# Altium PCB PCB1.PcbDoc
Units mm, origin at the board's own origin, x right, y up, seen from the top; angles counter-clockwise.
Board outline 110 x 90 mm, 2 copper layers (Top Layer, Bottom Layer); 84 components, 80 nets, 311 pads, 0 vias.
Unrouted connection lines stored in the file: 9.
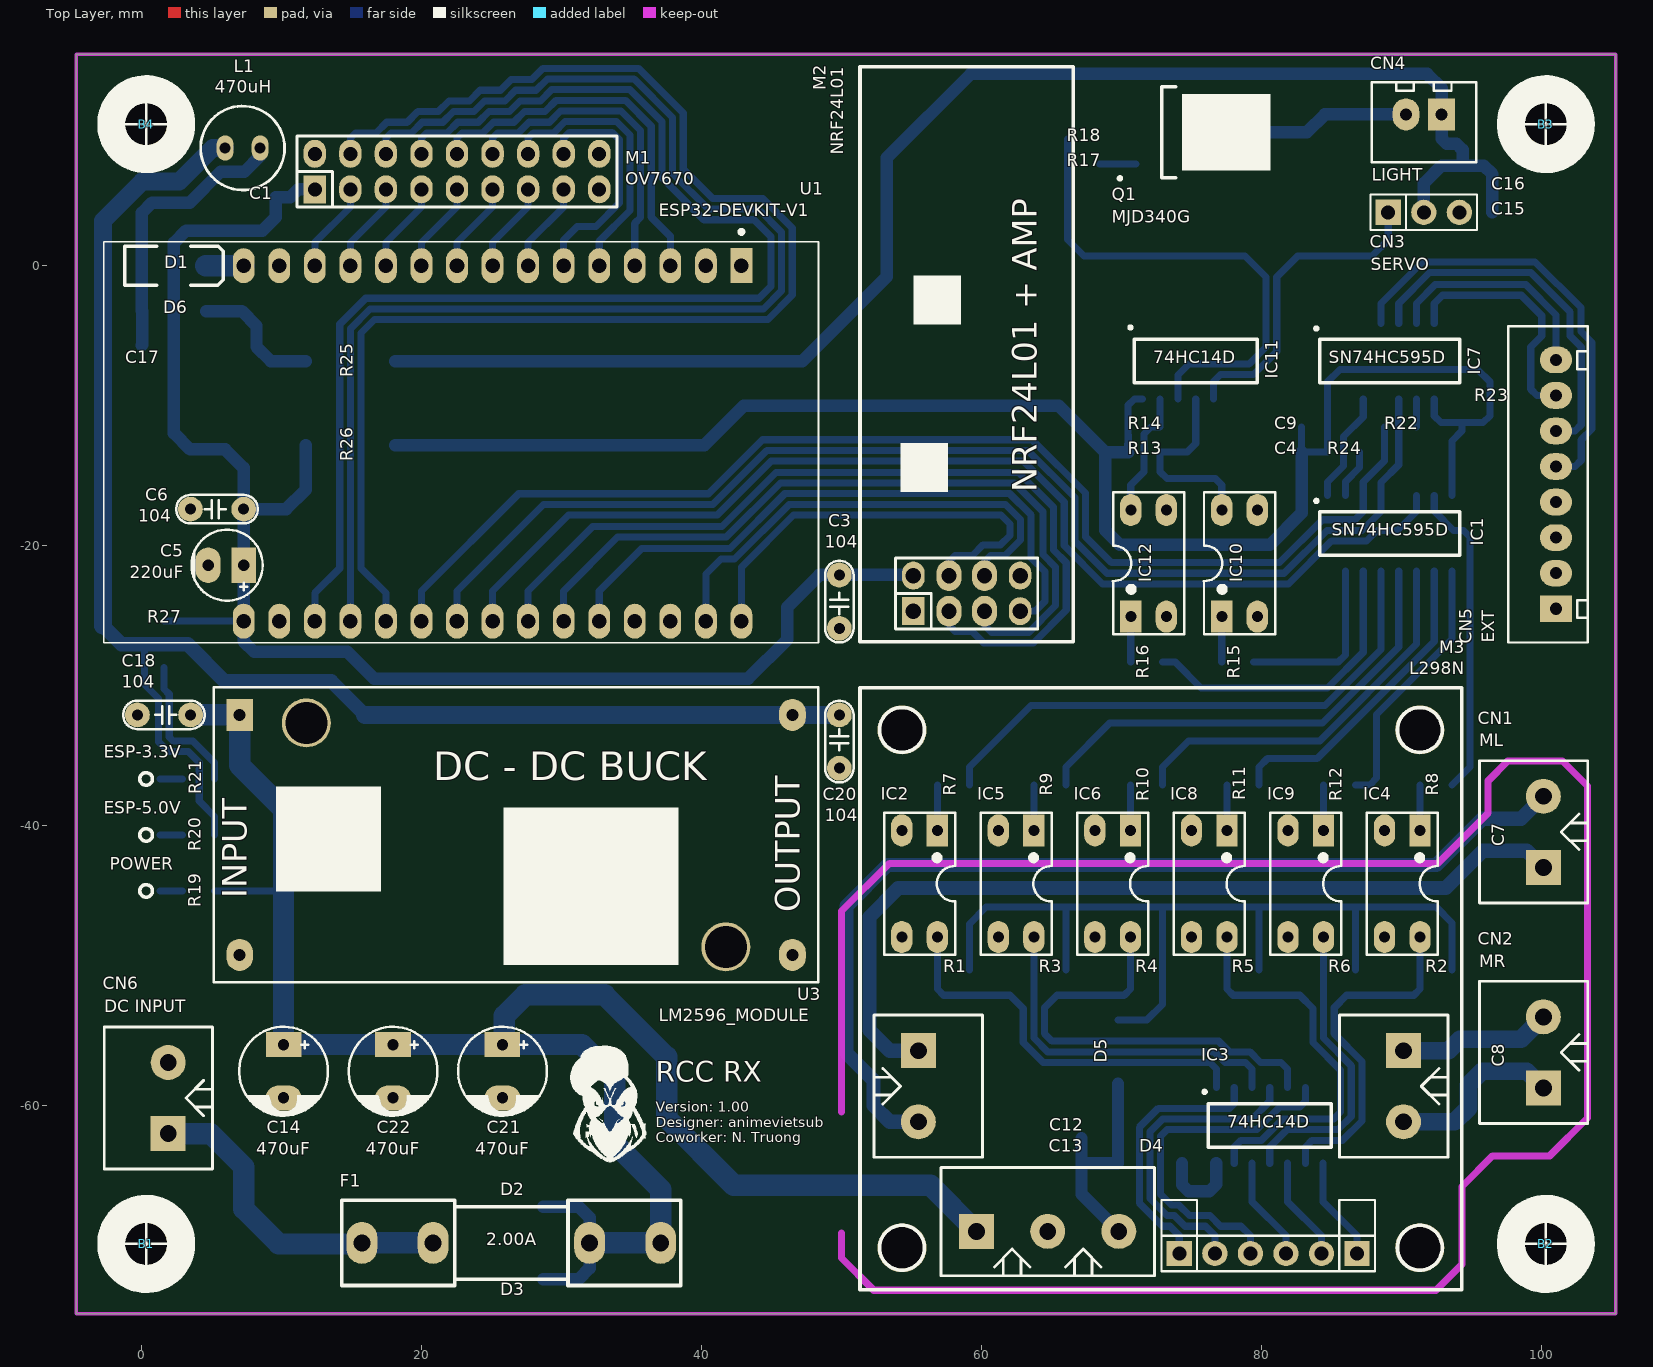
[diagram p0: Top Layer view]
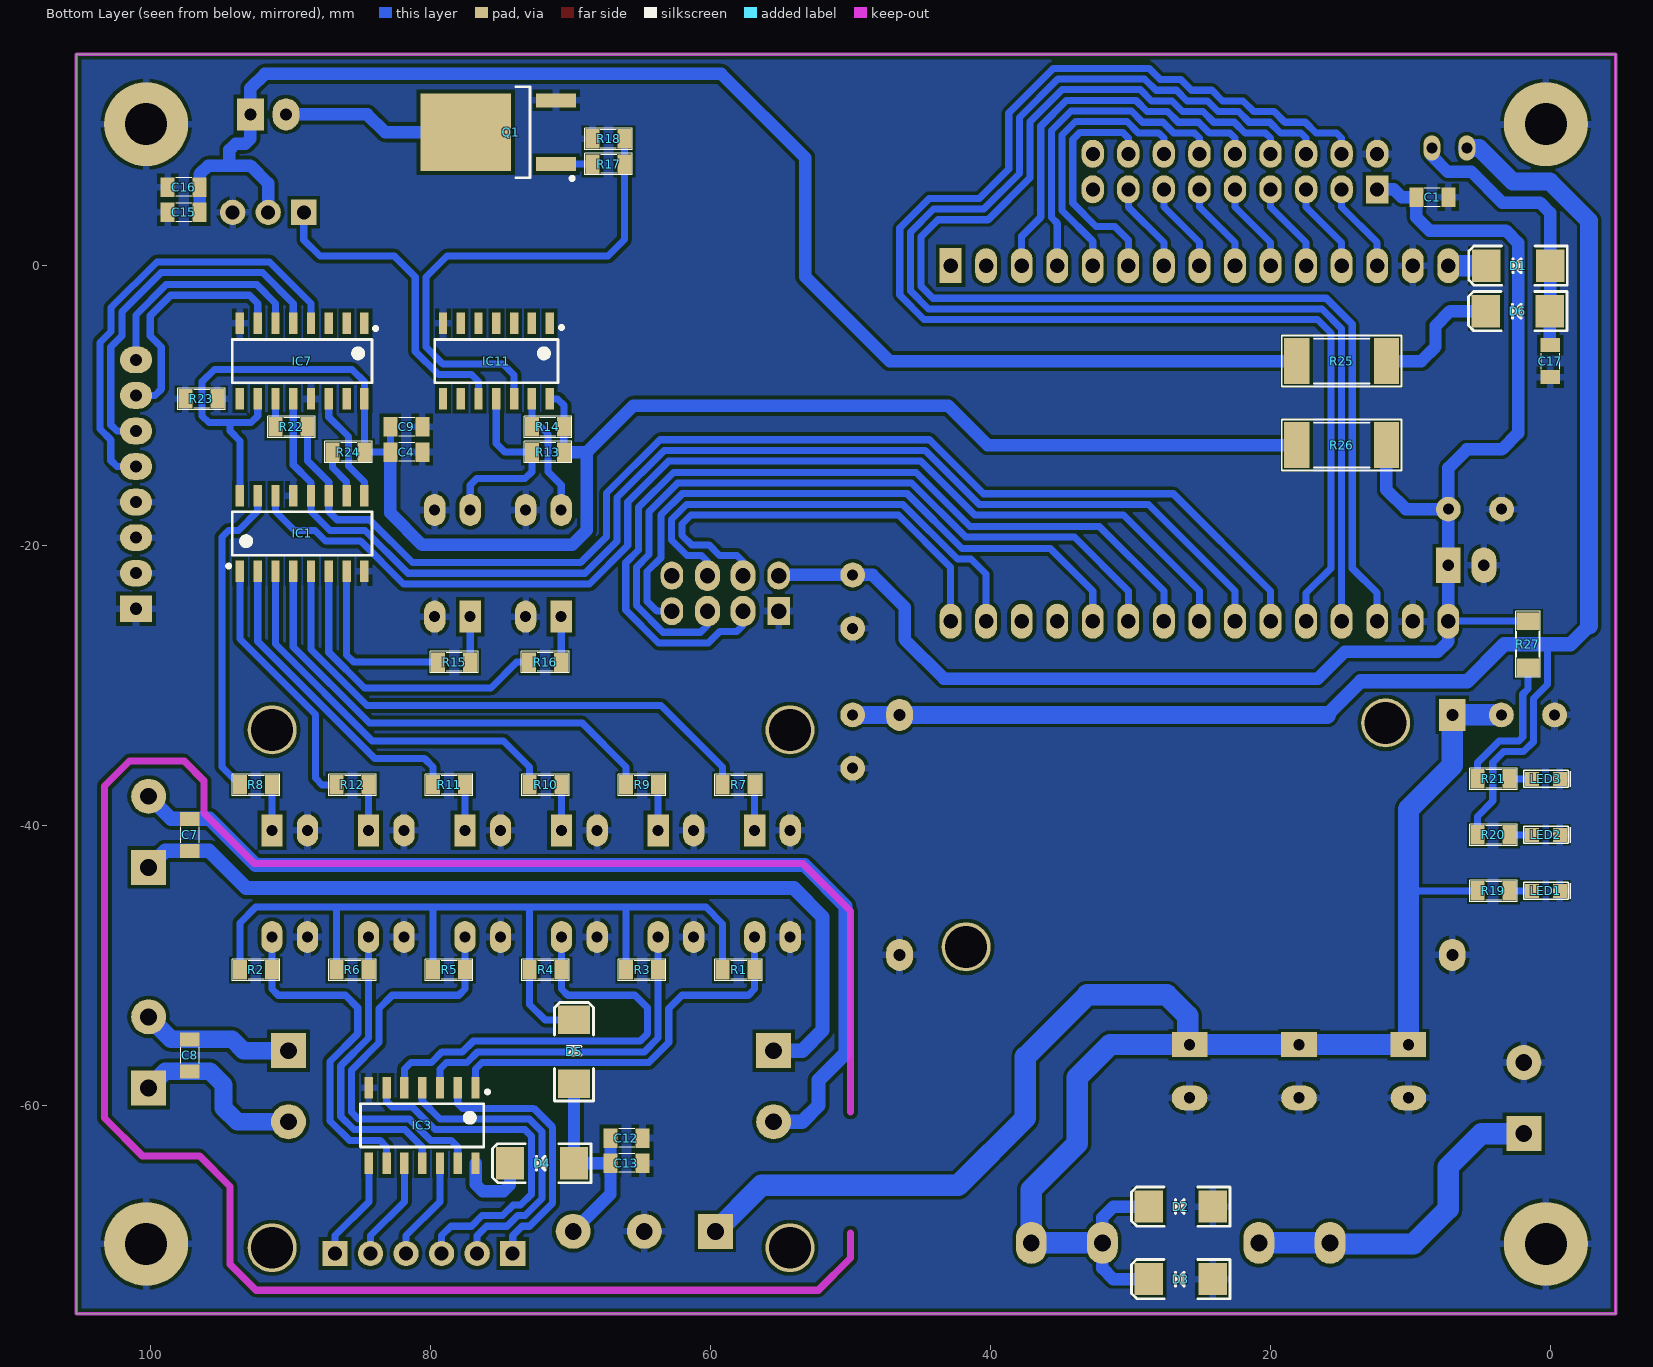
[diagram p1: Bottom Layer view, seen from below]

## Layer stack, top to bottom
Top Solder: solder mask 0.0102, Solder Resist, Dk 3.5
Top Layer: signal copper 0.0356
Dielectric 1: dielectric 0.32, FR-4, Dk 4.8
Bottom Layer: signal copper 0.0356
Bottom Solder: solder mask 0.0102, Solder Resist, Dk 3.5

## Board outline
-4.682,-74.892 105.318,-74.892 105.318,15.108 -4.682,15.108

## Design rules (kind name [scope] priority, off if disabled: settings)
Clearance [All] p1: gap=0.254 ignorepadtopadclearanceinfootprint=FALSE except(0: Arc-Hole Track-Hole SMDPad-Hole THPad-Hole Via-Hole Fill-Hole Poly-Hole Region-Hole Text-Hole)
PolygonConnect [All] p1: connectstyle=Relief reliefconductorwidth=0.508 reliefentries=4 polygonreliefangle="90 Angle" airgapwidth=0.254
RoutingVias [All] p1: holewidth=0.711 width=1.27 viastyle="Through Hole" minholewidth=0.711 minwidth=1.27 maxholewidth=0.711 maxwidth=1.27
SolderMaskExpansion [All] p1: expansion=0.102
Width [All] p1: maxlimit=1.524 minlimit=0.508 preferedwidth=0.889 minimp=50.000000 maximp=50.000000 favimp=50.000000
30 further rules are at their usual default settings.

## Components (designator, comment, footprint, x,y, rotation, side; value= is the part's Value field where it differs from the comment)
B1 "Plated Hole" MTG300_600 0.318,-69.892 r0 top
B2 "Plated Hole" MTG300_600 100.318,-69.892 r0 top
B3 "Plated Hole" MTG300_600 100.318,10.108 r0 top
B4 "Plated Hole" MTG300_600 0.318,10.108 r0 top
C1 "106" CAP-SMD-0805 8.429,4.885 r0 bottom
C3 "104" Cap-Non-150mil 49.839,-25.908 r90 top
C4 "106" CAP-SMD-0805 81.73,-13.316 r0 bottom
C5 "220uF" Cap-P-2.5/5 7.286,-21.4 r180 top
C6 "104" Cap-Non-150mil 3.476,-17.4 r0 top
C7 "104" CAP-SMD-0805 97.196,-40.663 r270 bottom
C8 "104" CAP-SMD-0805 97.196,-56.421 r270 bottom
C9 "104" CAP-SMD-0805 81.73,-11.516 r0 bottom
C12 "104" CAP-SMD-0805 66.001,-62.33 r0 bottom
C13 "106" CAP-SMD-0805 66.001,-64.13 r0 bottom
C14 "470uF" Cap-P-3.8/6.3 10.132,-55.65 r270 top
C15 "104" CAP-SMD-0805 97.638,3.81 r180 bottom
C16 "106" CAP-SMD-0805 97.638,5.61 r180 bottom
C17 "106" CAP-SMD-0805 0,-6.815 r90 bottom
C18 "104" Cap-Non-150mil 3.495,-32.097 r180 top
C20 "104" Cap-Non-150mil 49.839,-32.097 r270 top
C21 "470uF" Cap-P-3.8/6.3 25.773,-55.65 r270 top
C22 "470uF" Cap-P-3.8/6.3 17.953,-55.65 r270 top
CN1 "ML" KF2/5.08 100.144,-40.453 r90 top
CN2 "MR" KF2/5.08 100.144,-56.211 r90 top
CN3 "SERVO" JP3-DT*1 91.598,3.81 r0 top
CN4 "LIGHT" "Header 2P" 91.598,10.81 r180 top
CN5 "EXT" "Header 8P" 101.044,-15.621 r90 top
CN6 "DC INPUT" KF2/5.08 1.888,-59.471 r90 top
D1 "SS14" "SOD 106" 2.286,0 r180 bottom
D2 "SS14" "SOD 106" 26.392,-67.227 r180 bottom
D3 "SS14" "SOD 106" 26.392,-72.409 r180 bottom
D4 "SS14" "SOD 106" 72.037,-64.13 r180 bottom
D5 "SS14" "SOD 106" 69.751,-56.169 r270 bottom
D6 "SS14" "SOD 106" 2.314,-3.25 r180 bottom
F1 "2.00A" Fuse-Dip1 26.418,-69.818 r0 top
IC1 "SN74HC595D" SOIC127P600X175-16N 89.175,-19.135 r90 bottom
IC2 "FOD817DSD" DIP4 55.574,-44.158 r180 top
IC3 "74HC14D" SOIC127P600X175-14N 80.597,-61.43 r270 bottom
IC4 "FOD817DSD" DIP4 90.064,-44.158 r180 top
IC5 "FOD817DSD" DIP4 62.472,-44.158 r180 top
IC6 "FOD817DSD" DIP4 69.37,-44.158 r180 top
IC7 "SN74HC595D" SOIC127P600X175-16N 89.175,-6.816 r270 bottom
IC8 "FOD817DSD" DIP4 76.268,-44.158 r180 top
IC9 "FOD817DSD" DIP4 83.166,-44.158 r180 top
IC10 "FOD817DSD" DIP4 78.436,-21.266 r0 top
IC11 "74HC14D" SOIC127P600X175-14N 75.303,-6.816 r270 bottom
IC12 "FOD817DSD" DIP4 71.936,-21.266 r0 top
L1 "470uH" L-DIP-M-5.3 7.208,8.405 r0 top value="150 mH"
LED1 "POWER" LED-0805 0.312,-44.67 r180 bottom
LED2 "ESP-5.0V" LED-0805 0.312,-40.67 r180 bottom
LED3 "ESP-3.3V" LED-0805 0.312,-36.67 r180 bottom
M1 "OV7670" OV7670 11.096,4.185 r0 top
M2 "NRF24L01" NRF24L01P_M 51.319,-26.886 r0 top
M3 "L298N" L298N_MODULE 94.319,-73.167 r90 top
Q1 "MJD340G" TO228P991X239-3N-R552X520 75.186,9.535 r0 bottom
R1 "1K" RES-SMD-0805 57.987,-50.318 r0 bottom
R2 "1K" RES-SMD-0805 92.477,-50.318 r0 bottom
R3 "1K" RES-SMD-0805 64.885,-50.318 r0 bottom
R4 "1K" RES-SMD-0805 71.783,-50.318 r0 bottom
R5 "1K" RES-SMD-0805 78.681,-50.318 r0 bottom
R6 "1K" RES-SMD-0805 85.579,-50.318 r0 bottom
R7 "1K" RES-SMD-0805 57.987,-37.098 r0 bottom
R8 "1K" RES-SMD-0805 92.477,-37.098 r0 bottom
R9 "1K" RES-SMD-0805 64.885,-37.098 r0 bottom
R10 "1K" RES-SMD-0805 71.783,-37.098 r0 bottom
R11 "1K" RES-SMD-0805 78.681,-37.098 r0 bottom
R12 "1K" RES-SMD-0805 85.579,-37.098 r0 bottom
R13 "1K" RES-SMD-0805 71.62,-13.316 r180 bottom
R14 "1K" RES-SMD-0805 71.62,-11.516 r180 bottom
R15 "1K" RES-SMD-0805 78.309,-28.326 r0 bottom
R16 "1K" RES-SMD-0805 71.809,-28.326 r0 bottom
R17 "1K" RES-SMD-0805 67.286,7.255 r0 bottom
R18 "10K" RES-SMD-0805 67.286,9.055 r180 bottom
R19 "1K" RES-SMD-0805 4.062,-44.67 r0 bottom
R20 "1K" RES-SMD-0805 4.062,-40.67 r0 bottom
R21 "1K" RES-SMD-0805 4.062,-36.67 r0 bottom
R22 "0R" RES-SMD-0805 89.937,-11.516 r0 bottom
R23 "0R" RES-SMD-0805 96.37,-9.516 r0 bottom
R24 "0R" RES-SMD-0805 85.873,-13.316 r0 bottom
R25 "0R" RES-SMD-2512 14.906,-6.816 r0 bottom
R26 "0R" RES-SMD-2512 14.906,-12.816 r0 bottom
R27 "0R" RES-SMD-1206 1.59,-27.051 r90 bottom
U1 "ESP32-DEVKIT-V1" MODULE_ESP32-DEVKITC-32D 23.086,-12.7 r270 top
U3 "LM2596_MODULE" LM2596_MODULE 5.153,-30.129 r0 top

## Footprints (in the part's own frame and the unit in brackets; to place one, negate y for a bottom-side part, rotate by r counter-clockwise, add the part's x,y. Pads: shape width x height; smd on the part's side, far side on the other; paste and mask are expansions set on the pad)
Cap-Non-150mil [mil]
  round 70 hole 31: 1(0,0) 2(150,0)
  silkscreen extent -40,-40 190,40, body extent -40,-33 190,33, height 235
Cap-P-2.5/5 [mil] "Tu hoa < 22uF/16>50V"
  rect 70x100 hole 32: 1(0,0)
  oval 70x100 hole 32: 2(100,0)
  silkscreen extent -53,-100 147,100, body extent -49,-99 149,99, height 287
Cap-P-3.8/6.3 [mil] "Tu hoa 33 >100 uF,50V, 220uF/16V,25V ( it su dung )"
  rect 70x100 hole 32: 1(0,0)
  oval 70x100 hole 32: 2(150,0)
  silkscreen extent -50,-125 200,125, body extent -46,-121 202,127, height 434
CAP-SMD-0805 [mil]
  rect 39.37x55 smd: 1(-45,0) 2(45,0)
  silkscreen extent -23,-26 22,26, body extent -39,-25 39,25, height 30
DIP4 [mil]
  rect 60x90 hole 31: 1(-50,-150)
  oval 60x90 hole 31: 2(50,-150) 3(50,150) 4(-50,150)
  silkscreen extent -100,-200 100,200, body extent -109,-157 109,157, height 170
Fuse-Dip1 [mm]
  oval 2.2x3 hole 1.2: 1(-10.684,0) 1(-5.604,0) 2(5.579,0) 2(10.659,0)
  silkscreen extent -12.12,-3.05 12.09,3.05, body extent -10.84,-2.95 10.87,2.95, height 9.75
"Header 2P" [mil] "CON2"
  rect 75x90 hole 34: 1(-50,0)
  oval 75x90 hole 34: 2(50,0)
  silkscreen extent -147,-91 147,134, body extent -148,-90 148,134, height 277
"Header 8P" [mil] "CON8"
  rect 75x90 hole 34: 1(-350,0)
  oval 75x90 hole 34: 2(-250,0) 3(-150,0) 4(-50,0) 5(50,0) 6(150,0) 7(250,0) 8(350,0)
  silkscreen extent -445,-90 445,134, body extent -445,-90 445,134, height 277
JP3-DT*1 [mm]
  rect 1.8x1.8 hole 1: 1(-2.54,0)
  round 1.8 hole 1: 2(0,0) 3(2.54,0)
  silkscreen extent -3.81,-1.27 3.81,1.27, body extent -3.81,-1.27 3.81,1.27, height 10.1
KF2/5.08 [mm]
  rect 2.5x2.5 hole 1.2: 1(-2.54,0)
  round 2.5 hole 1.2: 2(2.54,0)
  silkscreen extent -5.08,-3.18 5.08,4.57, body extent -5.6,-3 5,4.6, height 10.1
L298N_MODULE [mm]
  rect 1.8x1.8 hole 1: 1(2.59,20.19) 6(2.59,7.49)
  round 1.8 hole 1: 2(2.59,17.65) 3(2.59,15.11) 4(2.59,12.57) 5(2.59,10.03)
  round 2.5 hole 1.2: 7(4.17,24.51) 8(4.17,29.59) 11(12,38.83) 12(12,4.17)
  rect 2.5x2.5 hole 1.2: 9(4.17,34.67) 10(17.08,38.83) 13(17.08,4.17)
  round 3.5 hole 3: ""(3,40) ""(3,3) ""(40,3) ""(40,40)
  silkscreen extent 0,0 43,43, body extent 0,0 43,43, height 27.1
L-DIP-M-5.3 [mm] "THT Inductor, 2-Leads, Body 5.3  mm"
  oval 1.2x1.8 hole 0.8: 1(-1.25,0) 2(1.25,0)
  silkscreen extent -3,-3 3,3, body extent -2.44,-2.44 2.44,2.45, height 7.6
LED-0805 [mm]
  rect 1x1 smd mask+0.05: 1(-1,0) 2(1,0)
  silkscreen extent -1.6,-0.61 1.75,0.61, body extent -1.03,-0.45 1.03,0.45, height 0.85
LM2596_MODULE [mil]
  rect 75x90 hole 34: 1(72.52,-77.48)
  oval 75x90 hole 34: 2(72.52,-752.52) 3(1627.48,-752.52) 4(1627.48,-77.48)
  round 137.8 hole 118.11: ""(260,-100) ""(1440,-730)
  silkscreen extent 0,-830 1700,0, body extent 0,-833 1700,3, height 526
MODULE_ESP32-DEVKITC-32D [mm]
  rect 2.5x1.56 hole 1.04: 1(-12.7,19.76)
  oval 2.5x1.56 hole 1.04: 2(-12.7,17.22) 3(-12.7,14.68) 4(-12.7,12.14) 5(-12.7,9.6) 6(-12.7,7.06) 7(-12.7,4.52) 8(-12.7,1.98) 9(-12.7,-0.56) 10(-12.7,-3.1) 11(-12.7,-5.64) 12(-12.7,-8.18) 13(-12.7,-10.72) 14(-12.7,-13.26) 15(-12.7,-15.8) 16(12.7,-15.8) 17(12.7,-13.26) 18(12.7,-10.72) 19(12.7,-8.18) 20(12.7,-5.64) 21(12.7,-3.1) 22(12.7,-0.56) 23(12.7,1.98) 24(12.7,4.52) 25(12.7,7.06) 26(12.7,9.6) 27(12.7,12.14) 28(12.7,14.68) 29(12.7,17.22) 30(12.7,19.76)
  silkscreen extent -15.25,-25.81 14.25,25.27, body extent -14.33,-25.73 14.17,25.2, height 10.16
MTG300_600 [mm] "Plated Through Hole: Hole Dia.=3.0mm Pad Dia.=6.0mm"
  round 6 hole 3: 1(0,0)
NRF24L01P_M [mm]
  rect 1.61x2 hole 1.1: 1(3.815,2.2)
  oval 1.61x2 hole 1.1: 2(3.815,4.74) 7(11.435,2.2) 8(11.435,4.74)
  oval 1.8x2.2 hole 1.1: 3(6.355,2.2) 4(6.355,4.74) 5(8.895,2.2) 6(8.895,4.74)
  silkscreen extent 0,0 15.25,41.1, body extent 0,0 15.25,74, height 7.39
OV7670 [mm]
  rect 1.6x2 hole 1: 1(1.27,1.27)
  oval 1.6x2 hole 1: 2(1.27,3.81) 3(3.81,1.27) 4(3.81,3.81) 5(6.35,1.27) 6(6.35,3.81) 7(8.89,1.27) 8(8.89,3.81) 9(11.43,1.27) 10(11.43,3.81) 11(13.97,1.27) 12(13.97,3.81) 13(16.51,1.27) 14(16.51,3.81) 15(19.05,1.27) 16(19.05,3.81) 17(21.59,1.27) 18(21.59,3.81)
  silkscreen extent 0,0 22.86,5.08, body extent 0,0 22.86,5.08, height 8.55
RES-SMD-0805 [mil]
  rect 39.37x55 smd mask+1.97: 1(-45,0) 2(45,0)
  silkscreen extent -67,-30 67,30, body extent -45,-27 45,27, height 30
RES-SMD-1206 [mil]
  rect 50x65 smd: 1(-65,0) 2(65,0)
  silkscreen extent -93,-35 93,35, body extent -63,-31 63,31, height 24
RES-SMD-2512 [mm] "Chip Capacitor, Body 3.2x2.5mm, IPC Medium Density"
  rect 1.8x3.3 smd: 1(-3.2,0) 2(3.2,0)
  silkscreen extent -4.28,-1.83 4.28,1.83, body extent -3.2,-1.6 3.2,1.6, height 0.6
"SOD 106" [mil]
  rect 80x90.55 smd: 1(90,0) 2(-90,0)
  silkscreen extent -139,-55 138,55, body extent -98,-51 98,51, height 79
SOIC127P600X175-14N [mm] "SOIC 14, Pitch 1.27mm - Body 4x8.75mm, IPC Medium Density"
  rect 1.55x0.6 smd: 1(-2.7,3.81) 2(-2.7,2.54) 3(-2.7,1.27) 4(-2.7,0) 5(-2.7,-1.27) 6(-2.7,-2.54) 7(-2.7,-3.81) 8(2.7,-3.81) 9(2.7,-2.54) 10(2.7,-1.27) 11(2.7,0) 12(2.7,1.27) 13(2.7,2.54) 14(2.7,3.81)
  silkscreen extent -2.52,-4.4 1.55,4.78, body extent -3.1,-4.37 3.1,4.38, height 1.75
SOIC127P600X175-16N [mm] "SOIC 16, Pitch 1.27mm - Body 4x10mm, IPC Medium Density"
  rect 1.55x0.6 smd: 1(-2.7,4.445) 2(-2.7,3.175) 3(-2.7,1.905) 4(-2.7,0.635) 5(-2.7,-0.635) 6(-2.7,-1.905) 7(-2.7,-3.175) 8(-2.7,-4.445) 9(2.7,-4.445) 10(2.7,-3.175) 11(2.7,-1.905) 12(2.7,-0.635) 13(2.7,0.635) 14(2.7,1.905) 15(2.7,3.175) 16(2.7,4.445)
  silkscreen extent -2.45,-5 1.55,5.38, body extent -3.1,-5 3.1,5, height 1.75
TO228P991X239-3N-R552X520 [mm] "TO-252AA DPAK TO, 2.28mm pitch; 2 pin,9.905mm L X 6.095mm W X 2.39mm H body, IPC Medium Density"
  rect 2.85x1 smd: 1(-4.15,2.28) 2(-4.15,-2.28)
  rect 6.5x5.55 smd: 3(2.3,0)
  silkscreen extent -5.42,-3.25 -1.3,3.42, body extent -5.22,-3.36 5.2,3.37, height 2.45

## Part data
B1 B2 B3 B4: library part PLATED_HOLE3.0_PAD6.0, "Single Terminal Socket", Author="CERN DEM JLC", ComponentHeight=0mm, Component Type="Standard (No BOM)", CreateDate=5/26/2008, Family="Plated Hole", HelpURL=Undefined, LatestRevisionDate=5/26/2008, Mounted=No, PackageDescription="Plated Through Hole: Hole Dia.=3.0mm Pad Dia.=6.0mm", Part Description="Plated Through Hole: Hole Dia.=3.0mm Pad Dia.=6.0mm", Part Number=PLATED_HOLE3.0_PAD6.0, Pin Count=1, Sense=No, SMD=No, Socket=No, Status=None
C1 C4 C9 C12 C13 C15 C16 C17: library part Cap-Non-SMD, "Non-polar capacitor"
C3 C6 C7 C8 C18 C20: library part Cap-Non-Dip, "Non-polar capacitor"
C5 C14 C21 C22: library part Cap-Pol-Dip, "Polarized capacitor"
CN1 CN2 CN6: library part "KF 2"
CN3: library part JP3x1
CN4: library part "Header 2"
CN5: library part "Header 8"
D1 D2 D3 D4 D5 D6: library part "Diode SMD", "Diode SMD"
F1: library part "Fuse Dip"
IC1 IC7: "8-Bit Shift Register With 3-State Output Register", Case=SOIC16, Manufacturer="TEXAS INSTRUMENTS", Author="CERN DEM JLC", Bonding=No, ComponentHeight=1.75mm, Component Type=Standard, CreateDate=6/5/2012, Device=SN74HC595D, HelpURL=\\cern.ch\dfs\Applications\Altium\Datasheets\SN74HC595D.pdf, LatestRevisionDate=6/5/2012, Manufacturer Part Number=SN74HC595D, Mounted=Yes, PackageDescription="SOIC 16, Pitch 1.27mm - Body 4x10mm, IPC Medium Density", Part Description="8-Bit Shift Register With 3-State Output Registers", Part Number=SN74HC595D, Pin Count=16, PressFit=No, Sense=No, SMD=Yes, Socket=No
IC2 IC4 IC5 IC6 IC8 IC9 IC10 IC12: "Single Optocoupler", Case=SOIC4, Manufacturer="FAIRCHILD SEMICONDUCTOR", Author="CERN DEM JLC", Bonding=No, ComponentHeight=4.6mm, Component Type=Standard, CreateDate=7/21/2014, Device=FOD817DSD, HelpURL=\\cern.ch\dfs\Applications\Altium\Datasheets\FOD817DSD.pdf, LatestRevisionDate=7/21/2014, Manufacturer Part Number=FOD817DSD, Mounted=Yes, PackageDescription="SOIC, 2.54mm Pitch, 4 Pin, Body 6.5mm W X 4.6mm L X 4.6mm H", Part Description="4-Pin High Operating Temperature Phototransistor Optocoupler", Part Number=FOD817DSD, Pin Count=4, PressFit=No, Sense=No, SMD=Yes, Socket=No
IC3 IC11: "Hex Schmitt-Trigger Inverter", Case=SOIC14, Manufacturer="NXP SEMICONDUCTORS", Author="CERN DEM JLC", Bonding=No, ComponentHeight=1.75mm, Component Type=Standard, CreateDate=8/26/2014, Device=74HC14D, HelpURL=\\cern.ch\dfs\Applications\Altium\Datasheets\74HC14D.pdf, LatestRevisionDate=8/26/2014, Manufacturer Part Number=74HC14D, Mounted=Yes, PackageDescription="SOIC 14, Pitch 1.27mm - Body 4x8.75mm, IPC Medium Density", Part Description="Hex  Inverterting Schmitt-Trigger", Part Number=74HC14D, Pin Count=14, PressFit=No, Sense=No, SMD=Yes, Socket=No
L1: library part IND-DIP-1, "Inductor"
LED1 LED2 LED3: library part LED_SMD
Q1: "NPN Transistor", Case=DPAK, Manufacturer="ON SEMICONDUCTOR", Author="CERN DEM JLC", Bonding=No, ComponentHeight=2.38mm, Component Type=Standard, CreateDate=9/23/2014, Device=MJD340G, HelpURL=\\cern.ch\dfs\Applications\Altium\Datasheets\MJD340G.pdf, LatestRevisionDate=9/23/2014, Manufacturer Part Number=MJD340G, Mounted=Yes, PackageDescription="TO-252AA DPAK TO, 2.28mm pitch; 2 pin,9.905mm L X 6.095mm W X 2.39mm H body, IPC Medium Density", Part Description="300V 500mA 15W NPN High Voltage Power Transistor", Part Number=MJD340G, Pin Count=3, PressFit=No, Sense=No, SMD=Yes, Socket=No
R1 R2 R3 R4 R5 R6 R7 R8 R9 R10 R11 R12 R13 R14 R15 R16 R17 R18 R19 R20 R21 R22 R23 R24 R25 R26 R27: library part "Res 1/4W", "Resistor 1/4W"
U1: "- Transceiver; 802.11 b/g/n _Wi-Fi, WiFi, WLAN_, Bluetooth® Smart Ready 4.x Dual Mode For Use With ESP-WROOM-32", Package=None, Availability=Unavailable, MF="Espressif Systems", MP=ESP32-DEVKITC-32D, Price=None, SnapEDA_Link=https://www.snapeda.com/parts/ESP32-DEVKITC-32D/Espressif%20Systems/view-part/2777395/?ref=snap
U3: ComponentLink1Description=DATASHEET, ComponentLink1URL=http://tpelectronic.ir/datasheets/20150123144301750.pdf

## Nets (pads, with @x,y where several pads share a name; then routed paths per layer and width w, separated by ;. In a path a pad name is that pad's centre, name@x,y a point inside that pad or via, vN(x,y) a via of type N, cw(c..) or ccw(c..) an arc to the next point about the centre after c; other vN are vias at no path point)
+3.3V: C1.2 C3.2 C4.2 C5.1 C6.2 C9.2 IC1.10 IC1.16 IC7.10 IC7.16 IC11.14 M1.1 M2.2 R13.2 R14.2 R21.2 R24.1 R24.2 R26.1 R26.2 R27.1 R27.2 U1.16 | length 244.9
  Bottom Layer w0.508: R27.1 1.59,-30.241 1.968,-30.618 1.968,-33.678 2.244,-33.954 3.644,-33.954 5.205,-35.514 R21.2 ; R27.2 U1.16 ; R13.2 R14.2 70.477,-9.968 70.93,-9.516 IC11.14 ; C9.2 C4.2 R24.1 IC7.16 84.73,-8.296 85.611,-7.416 95.439,-7.416 96.32,-8.296 96.32,-10.735 95.839,-11.216 94.335,-11.216 ; IC1.10 86,-15.436 87.016,-14.42 R24.2 ; IC7.10 92.35,-10.735 92.831,-11.216 94.335,-11.216 ; IC1.16 93.62,-12.516 94.335,-11.801 94.335,-11.216
  Bottom Layer w0.889: R26.1 11.706,-16.016 10.322,-17.4 C6.2 ; M1.1 11.173,5.455 10.603,4.885 C1.2 9.572,3.454 8.628,2.51 3.176,2.51 2.299,1.632 2.299,-11.961 3.463,-13.126 5.963,-13.126 7.286,-14.449 C6.2 ; R26.2 40.206,-12.816 43.006,-10.016 65.53,-10.016 68.83,-13.316 ; M2.2 55.086,-22.098 C3.2 48.42,-22.098 46.128,-24.39 46.128,-26.7 43.328,-29.5 16.6,-29.5 14.69,-27.59 8.038,-27.59 7.286,-26.839 U1.16 C5.1 C6.2 ; R13.2 68.83,-13.316 ; C4.2 82.873,-17.673 80.601,-19.944 69.883,-19.944 68.83,-18.892 68.83,-13.316
+5V: C12.2 C13.2 D4.1 D4.2 D5.1 D5.2 IC3.14 M3.7 R1.2 R2.2 R3.2 R4.2 R5.2 R6.2 | length 88.1
  Bottom Layer w0.508: R1.2 59.13,-47.029 60.329,-45.83 66.028,-45.83 ; R3.2 66.028,-45.83 ; D5.2 71.833,-53.883 72.926,-52.79 R4.2 72.926,-45.83 ; R5.2 79.824,-45.83 ; R6.2 86.722,-45.83 ; R2.2 93.62,-46.963 92.487,-45.83 86.722,-45.83 ; 66.028,-45.83 72.926,-45.83 ; 72.926,-45.83 79.824,-45.83 ; 79.824,-45.83 86.722,-45.83
  Bottom Layer w0.889: C12.2 C13.2 ; D5.1 D4.1 C13.2 ; M3.7 67.144,-66.332 C13.2 ; D4.2 74.323,-65.666 74.787,-66.13 76.287,-66.13 76.787,-65.63 IC3.14
+12V: C14.1 C18.1 C21.1 C22.1 D2.2 D3.2 F1.2 M3.9 R19.2 U3.1 | length 133.1
  Bottom Layer w0.508: R19.2 10.132,-44.67
  Bottom Layer w0.889: D2.2 31.218,-67.227 31.996,-68.006 F1.2@31.996,-69.818 ; D3.2@28.688,-72.406 31.228,-72.406 32.006,-71.628 F1.2@32.006,-69.818
  Bottom Layer w1.524: C18.1 U3.1 6.995,-35.705 10.132,-38.842 10.132,-44.67 C14.1 C22.1 C21.1 ; F1.2@31.996,-69.818 32.006,-69.818 37.076,-69.818 37.076,-66 33.8,-62.723 33.8,-58.009 31.441,-55.65 C21.1 ; M3.9 56.352,-65.7 42.3,-65.7 37.5,-60.9 37.5,-56.53 33.07,-52.1 27.4,-52.1 25.9,-53.6 25.9,-55.523 C21.1
BUCK: C20.1 L1.1 R20.2 U3.4 | length 111.6
  Bottom Layer w0.508: 0.2,-27.051 0.2,-29.928 1.206,-30.934 1.206,-34.016 1.906,-34.716 3.322,-34.716 4.106,-35.5 4.106,-38.25 5.205,-39.348 R20.2
  Bottom Layer w1.016: -2.772,-25.728 -1.449,-27.051 0.2,-27.051 3.288,-27.051 5.937,-29.7 13.547,-29.7 15.945,-32.097
  Bottom Layer w1.27: -2.772,-25.728 -2.772,3.21 0.028,6.01 2.676,6.01 5.071,8.405 L1.1 ; 15.945,-32.097 U3.4 C20.1
CAM_SERVO: IC1.7 R15.2 | length 12.7
  Bottom Layer w0.508: R15.2 85.486,-28.326 86,-27.812 IC1.7
CE_NRF: M2.3 U1.24 | length 62.9
  Bottom Layer w0.508: U1.24@27.63,-25.376 U1.24 27.606,-23.244 32.22,-18.63 41.45,-18.63 45.312,-14.768 62.652,-14.768 65.147,-17.262 65.147,-20.32 66.054,-21.228 66.054,-24.605 63.703,-26.956 60.156,-26.956 59.325,-26.125 58.101,-26.125 57.674,-25.698 M2.3
CSN_NRF: M2.4 U1.30 | length 31.8
  Bottom Layer w0.508: U1.30 42.846,-21.544 46.574,-17.816 61.389,-17.816 62.024,-18.45 62.024,-19.276 61.356,-19.944 60.115,-19.944 59.353,-20.706 58.101,-20.706 57.674,-21.133 M2.4
D0: M1.16 U1.6 | length 16.9
  Bottom Layer w0.508: U1.6 30.146,1.837 31.118,2.808 32.452,2.808 34.118,4.474 34.118,9.017 33.606,9.528 30.56,9.528 30.146,9.114 M1.16
D1: M1.15 U1.7 | length 6.5
  Bottom Layer w0.508: U1.7 27.606,1.659 30.146,4.199 M1.15
D2: M1.14 U1.5 | length 19.5
  Bottom Layer w0.508: M1.14 27.606,9.114 27.978,9.486 29.44,9.486 30.244,10.29 33.922,10.29 34.88,9.332 34.88,3.934 32.686,1.74 U1.5
D3: M1.13 U1.8 | length 6.5
  Bottom Layer w0.508: U1.8 25.066,1.659 27.606,4.199 M1.13
D4: M1.12 U1.4 | length 22.9
  Bottom Layer w0.508: M1.12 25.066,9.114 25.438,9.486 26.9,9.486 27.662,10.248 29.124,10.248 29.928,11.052 34.237,11.052 35.642,9.648 35.642,3.442 35.226,3.026 U1.4
D5: M1.11 U1.9 | length 6.5
  Bottom Layer w0.508: U1.9 22.526,1.659 25.066,4.199 M1.11
D6: M1.10 U1.3 | length 27.4
  Bottom Layer w0.508: M1.10 22.526,9.114 22.898,9.486 24.36,9.486 25.122,10.248 26.584,10.248 27.346,11.01 28.809,11.01 29.613,11.814 34.553,11.814 36.404,9.963 36.404,3.464 37.766,2.101 U1.3
D7: M1.9 U1.10 | length 6.5
  Bottom Layer w0.508: U1.10 19.986,1.659 22.526,4.199 M1.9
EXT_A: IC7.15
EXT_B: IC7.1
EXT_C: IC7.2
EXT_D: IC7.3
EXT_E: CN5.5 IC7.4 | length 31.8
  Bottom Layer w0.508: IC7.4 88.54,-2.696 91.506,0.27 99.555,0.27 102.821,-2.995 102.821,-4.7 103.611,-5.49 103.611,-11.681 102.849,-12.443 102.849,-13.905 102.403,-14.351 CN5.5
EXT_F: CN5.6 IC7.5 | length 26.1
  Bottom Layer w0.508: IC7.5 89.81,-2.696 92.014,-0.492 99.239,-0.492 102.059,-3.311 102.059,-5.016 102.849,-5.806 102.849,-11.365 102.403,-11.811 CN5.6
EXT_G: CN5.7 IC7.7 | length 17.5
  Bottom Layer w0.508: IC7.7 92.35,-2.696 92.93,-2.116 98.567,-2.116 100.03,-3.579 100.03,-5.016 99.239,-5.806 99.239,-8.825 99.685,-9.271 CN5.7
EXT_H: CN5.8 IC7.6 | length 16.1
  Bottom Layer w0.508: IC7.6 91.08,-2.696 92.422,-1.354 98.882,-1.354 101.044,-3.516 CN5.8
GND: B1.1 B2.1 B3.1 B4.1 C1.1 C3.1 C4.1 C5.2 C6.1 C9.1 C12.1 C13.1 C14.2 C15.1 C16.1 C17.1 C18.2 C20.2 C21.2 C22.2 CN3.3 CN5.1 CN5.2 CN5.3 CN5.4 CN6.2 D2.1 D3.1 IC1.8 IC1.13 IC2.2 IC2.3 IC3.7 IC4.2 IC4.3 IC5.2 IC5.3 IC6.2 IC6.3 IC7.8 IC7.13 IC8.2 IC8.3 IC9.2 IC9.3 IC10.2 IC10.3 IC11.7 IC12.2 IC12.3 LED1.2 LED2.2 LED3.2 M1.2 M2.1 M3.8 Q1.2 R18.1 R23.1 R23.2 U1.14 U1.17 U3.2 U3.3
HS: M1.6 U1.19 | length 95
  Bottom Layer w0.508: U1.19 14.906,-4.503 16.318,-3.092 44.418,-3.092 45.718,-1.792 45.718,2.386 44.057,4.046 40.476,4.046 37.928,6.595 37.928,10.595 35.184,13.338 28.981,13.338 28.177,12.534 26.715,12.534 25.953,11.772 24.491,11.772 23.729,11.01 22.266,11.01 21.504,10.248 20.042,10.248 19.28,9.486 17.818,9.486 17.446,9.114 M1.6
LED: IC1.6 R16.2 | length 21.9
  Bottom Layer w0.508: R16.2 73.84,-28.326 75.682,-30.167 84.722,-30.167 87.27,-27.62 IC1.6
MISO_NRF: M2.7 U1.26 | length 45.2
  Bottom Layer w0.508: U1.26 32.686,-23.244 35.725,-20.205 42.029,-20.205 45.943,-16.292 62.021,-16.292 63.548,-17.819 63.548,-20.877 64.53,-21.859 64.53,-23.974 63.818,-24.686 M2.7
ML_A: IC1.4 R9.2 | length 34
  Bottom Layer w0.508: R9.2 66.028,-35.821 69.164,-32.686 84.359,-32.686 89.81,-27.235 IC1.4
ML_B: IC1.3 R10.2 | length 28.3
  Bottom Layer w0.508: R10.2 72.926,-35.821 74.792,-33.956 84.167,-33.956 91.08,-27.042 IC1.3
ML_PWM: IC1.5 R7.2 | length 39.8
  Bottom Layer w0.508: R7.2 59.13,-35.821 63.536,-31.416 84.552,-31.416 88.54,-27.427 IC1.5
MLA: C7.2 CN1.1 M3.10 | length 62.8
  Bottom Layer w1.016: M3.10 53.445,-56.087 51.987,-54.63 51.987,-46.53 54.044,-44.472 91.806,-44.472 93.167,-44.472 95.833,-41.806 C7.2 98.957,-41.806 CN1.1
MLB: C7.1 CN1.2 M3.11 | length 71.8
  Bottom Layer w1.016: M3.11 53.445,-61.167 52.287,-60.01 52.287,-58.201 50.351,-56.265 50.351,-45.766 53.287,-42.83 92.487,-42.83 95.796,-39.52 C7.1 98.537,-39.52 CN1.2
MOSI_NRF: M2.6 U1.29 | length 34
  Bottom Layer w0.508: U1.29 40.306,-22.04 41.378,-20.967 42.345,-20.967 46.258,-17.054 61.705,-17.054 62.786,-18.134 62.786,-19.592 61.671,-20.706 60.641,-20.706 60.214,-21.133 M2.6
MR_A: IC1.2 R11.2 | length 22.5
  Bottom Layer w0.508: R11.2 79.824,-35.821 80.42,-35.226 83.974,-35.226 92.35,-26.85 IC1.2
MR_B: IC1.1 R12.2 | length 18.7
  Bottom Layer w0.508: R12.2 87.748,-37.098 88.23,-36.616 88.23,-32.07 93.62,-26.68 IC1.1
MR_PWM: IC1.15 R8.2 | length 22.7
  Bottom Layer w0.508: IC1.15 92.35,-17.536 93.73,-18.916 94.43,-18.916 94.89,-19.376 94.89,-35.828 R8.2
MRA: C8.2 CN2.1 M3.12 | length 12.9
  Bottom Layer w1.27: M3.12 93.8,-61.167 94.787,-60.181 94.787,-58.53 95.752,-57.564 C8.2 98.957,-57.564 CN2.1
MRB: C8.1 CN2.2 M3.13 | length 11
  Bottom Layer w1.27: M3.13 93.366,-56.087 94.175,-55.278 C8.1 98.537,-55.278 CN2.2
NetCN3_1: CN3.1 IC11.10 | length 23
  Bottom Layer w0.508: IC11.10 76.573,-8.281 77.076,-7.778 79.44,-7.778 81.092,-6.125 81.092,-0.816 82.592,0.684 87.902,0.684 89.058,1.84 CN3.1
NetCN4_2: CN4.2 Q1.3 | length 13.4
  Bottom Layer w0.889: Q1.3 83.253,9.535 84.528,10.81 CN4.2
NetCN6_1: CN6.1 F1.1 | length 24
  Bottom Layer w1.524: CN6.1 4.911,-62.011 7.3,-64.4 7.3,-67.4 9.8,-69.9 15.652,-69.9 15.734,-69.818 F1.1@20.814,-69.818
NetD1_2: D1.2 U1.15 | length 2.7
  Bottom Layer w1.524: D1.2 U1.15
NetIC1_9: IC1.9 IC7.14 | length 8
  Bottom Layer w0.508: IC1.9 84.73,-15.459 85.873,-14.316 85.873,-12.216 87.27,-10.819 IC7.14
NetIC2_1: IC2.1 R7.1 | length 3.3
  Bottom Layer w0.508: IC2.1 R7.1
NetIC2_4: IC2.4 IC3.1 R1.1 | length 28.8
  Bottom Layer w0.508: IC2.4 R1.1 56.844,-51.681 57.293,-52.13 62.043,-52.13 62.98,-53.067 62.98,-55.503 64.408,-56.931 76.318,-56.931 76.787,-57.401 IC3.1
NetIC3_2: IC3.2 M3.1 | length 19.1
  Bottom Layer w0.508: M3.1 74.129,-69.3 73.459,-68.63 72.931,-68.63 71.275,-66.973 71.275,-61.564 72.633,-60.206 77.718,-60.206 78.057,-59.866 IC3.2
NetIC3_3: IC3.3 IC5.4 R3.1 | length 25.1
  Bottom Layer w0.508: IC5.4 R3.1 63.742,-55.188 64.724,-56.169 76.633,-56.169 77.395,-56.931 78.858,-56.931 79.327,-57.401 IC3.3
NetIC3_4: IC3.4 M3.2 | length 22.2
  Bottom Layer w0.508: M3.2 76.669,-69.3 75.999,-68.63 74.537,-68.63 73.775,-67.868 73.247,-67.868 72.037,-66.657 72.037,-61.88 72.949,-60.968 79.328,-60.968 80.597,-59.699 IC3.4
NetIC3_5: IC3.5 IC6.4 R4.1 | length 32
  Bottom Layer w0.508: IC6.4 R4.1 70.64,-51.681 70.192,-52.13 65.393,-52.13 64.504,-53.018 64.504,-54.872 65.04,-55.407 76.949,-55.407 77.711,-56.169 79.173,-56.169 79.935,-56.931 81.398,-56.931 81.867,-57.401 IC3.5
NetIC3_6: IC3.6 M3.3 | length 25.4
  Bottom Layer w0.508: M3.3 79.209,-69.3 78.539,-68.63 77.077,-68.63 76.315,-67.868 74.852,-67.868 74.09,-67.106 73.563,-67.106 72.799,-66.342 72.799,-62.195 73.264,-61.73 79.684,-61.73 81.322,-60.092 82.744,-60.092 83.137,-59.699 IC3.6
NetIC3_8: IC3.8 M3.6 | length 7.5
  Bottom Layer w0.508: IC3.8 84.407,-66.877 86.829,-69.3 M3.6
NetIC3_9: IC3.9 IC4.4 R2.1 | length 25.3
  Bottom Layer w0.508: IC3.9 83.137,-62.972 83.618,-62.492 85.795,-62.492 87.18,-61.107 87.18,-56.854 85.198,-54.872 85.198,-53.018 86.087,-52.13 90.886,-52.13 91.334,-51.681 R2.1 IC4.4
NetIC3_10: IC3.10 M3.5 | length 7.5
  Bottom Layer w0.508: IC3.10 81.867,-66.877 84.289,-69.3 M3.5
NetIC3_11: IC3.11 IC9.4 R6.1 | length 21.5
  Bottom Layer w0.508: IC3.11 80.597,-62.972 81.84,-61.73 85.48,-61.73 86.418,-60.792 86.418,-57.169 84.436,-55.188 R6.1 IC9.4
NetIC3_12: IC3.12 M3.4 | length 7.5
  Bottom Layer w0.508: IC3.12 79.327,-66.877 81.749,-69.3 M3.4
NetIC3_13: IC3.13 IC8.4 R5.1 | length 28.4
  Bottom Layer w0.508: IC8.4 R5.1 77.538,-51.681 77.987,-52.13 82.737,-52.13 83.674,-53.067 83.674,-55.503 85.656,-57.485 85.656,-60.476 85.164,-60.968 81.524,-60.968 80,-62.492 78.538,-62.492 78.057,-62.972 IC3.13
NetIC4_1: IC4.1 R8.1 | length 3.3
  Bottom Layer w0.508: IC4.1 R8.1
NetIC5_1: IC5.1 R9.1 | length 3.3
  Bottom Layer w0.508: IC5.1 R9.1
NetIC6_1: IC6.1 R10.1 | length 3.3
  Bottom Layer w0.508: IC6.1 R10.1
NetIC8_1: IC8.1 R11.1 | length 3.3
  Bottom Layer w0.508: IC8.1 R11.1
NetIC9_1: IC9.1 R12.1 | length 3.3
  Bottom Layer w0.508: IC9.1 R12.1
NetIC10_1: IC10.1 R15.1 | length 3.3
  Bottom Layer w0.508: R15.1 IC10.1
NetIC10_4: IC10.4 IC11.11 R13.1 | length 14
  Bottom Layer w0.508: IC11.11 75.303,-12.716 74.703,-13.316 R13.1 72.763,-14.725 73.253,-15.216 76.701,-15.216 77.166,-15.68 IC10.4
NetIC11_12: IC11.12 R17.1 R18.2 | length 36.3
  Bottom Layer w0.508: R18.2 R17.1 66.143,1.872 67.33,0.684 78.83,0.684 80.33,-0.816 80.33,-5.81 79.124,-7.016 74.83,-7.016 74.033,-7.812 IC11.12
NetIC11_13: IC11.13 IC12.4 R14.1 | length 9.2
  Bottom Layer w0.508: IC12.4 70.666,-15.68 71.62,-14.725 71.62,-12.016 72.12,-11.516 R14.1 IC11.13
NetIC12_1: IC12.1 R16.1 | length 3.3
  Bottom Layer w0.508: R16.1 IC12.1
NetLED1_1: LED1.1 R19.1 | length 1.6
  Bottom Layer w0.508: LED1.1 R19.1
NetLED2_1: LED2.1 R20.1 | length 1.6
  Bottom Layer w0.508: LED2.1 R20.1
NetLED3_1: LED3.1 R21.1 | length 1.6
  Bottom Layer w0.508: LED3.1 R21.1
NetQ1_1: Q1.1 R17.2 | length 2.6
  Bottom Layer w0.508: R17.2 Q1.1
PL: M1.7 U1.11 | length 6.5
  Bottom Layer w0.508: U1.11 17.446,1.659 19.986,4.199 M1.7
RCLK: IC1.12 IC7.12 U1.22 | length 88.2
  Bottom Layer w0.508: U1.22 22.526,-23.244 28.71,-17.06 40.799,-17.06 44.661,-13.198 63.302,-13.198 66.671,-16.567 66.671,-19.689 68.959,-21.978 81.614,-21.978 84.676,-18.916 87.185,-18.916 88.54,-17.561 IC1.12 88.54,-15.496 89.81,-14.226 IC7.12
SCK_NRF: M2.5 U1.25 | length 54.6
  Bottom Layer w0.508: U1.25 30.146,-23.244 33.998,-19.392 41.765,-19.392 45.627,-15.53 62.336,-15.53 64.385,-17.578 64.385,-20.636 65.292,-21.543 65.292,-24.29 63.388,-26.194 60.71,-26.194 60.214,-25.698 M2.5
SCL_CAM: M1.3 U1.13 | length 6.5
  Bottom Layer w0.508: U1.13 12.366,1.659 14.906,4.199 M1.3
SDA_CAM: M1.4 U1.20 | length 99.9
  Bottom Layer w0.508: M1.4 14.906,9.114 15.278,9.486 16.74,9.486 17.502,10.248 18.964,10.248 19.726,11.01 21.189,11.01 21.951,11.772 23.413,11.772 24.175,12.534 25.637,12.534 26.399,13.296 27.862,13.296 28.666,14.1 35.5,14.1 38.69,10.91 38.69,6.91 40.792,4.808 44.373,4.808 46.48,2.702 46.48,-2.107 44.733,-3.854 16.633,-3.854 15.668,-4.819 15.668,-21.617 17.446,-23.395 U1.20
SER: IC1.14 U1.23 | length 80.8
  Bottom Layer w0.508: U1.23 25.066,-23.244 30.488,-17.822 41.115,-17.822 44.977,-13.96 62.986,-13.96 65.909,-16.883 65.909,-20.005 68.643,-22.74 81.93,-22.74 84.992,-19.678 87.501,-19.678 88.263,-18.916 89.725,-18.916 91.08,-17.561 IC1.14
SRCLK: IC1.11 IC7.11 R22.1 R22.2 U1.21 | length 89.6
  Bottom Layer w0.508: U1.21 19.986,-23.244 26.932,-16.298 40.484,-16.298 44.346,-12.436 63.618,-12.436 67.433,-16.251 67.433,-19.374 69.275,-21.216 81.299,-21.216 84.361,-18.154 86.677,-18.154 87.27,-17.561 IC1.11 87.27,-15.466 88.794,-13.942 R22.1 ; R22.2 IC7.11
V_ESPU: C15.2 C16.2 C17.2 CN3.2 CN4.1 D1.1 D6.1 D6.2 L1.2 R25.1 R25.2 | length 135.3
  Bottom Layer w0.889: C17.2 0.028,-5.645 D6.1 0,-3.222 D1.1 0,3.772 0.738,4.51 3.438,4.51 5.638,6.71 7.328,6.71 8.458,7.84 L1.2 ; D6.2 7.15,-3.25 8.2,-4.3 8.2,-5.8 9.216,-6.816 R25.1 ; R25.2 47.206,-6.816 53.238,-0.784 53.238,7.716 59.231,13.71 91.838,13.71 92.868,12.68 CN4.1 92.868,9.08 93.238,8.71 93.938,8.71 94.374,8.274 94.374,7.15 ; CN3.2 91.598,5.88 92.868,7.15 94.374,7.15 ; C15.2 C16.2 96.495,6.535 95.88,7.15 94.374,7.15
VS: M1.5 U1.12 | length 6.5
  Bottom Layer w0.508: U1.12 14.906,1.659 17.446,4.199 M1.5
XCLK_CAM: M1.8 U1.18 | length 91.6
  Bottom Layer w0.508: U1.18 12.366,-23.395 14.144,-21.617 14.144,-4.188 16.002,-2.33 44.102,-2.33 44.956,-1.476 44.956,2.07 43.742,3.284 40.16,3.284 37.166,6.279 37.166,10.279 34.869,12.576 29.297,12.576 28.493,11.772 27.031,11.772 26.269,11.01 24.806,11.01 24.044,10.248 22.582,10.248 21.82,9.486 20.358,9.486 19.986,9.114 M1.8
pads on no net: IC7.9 IC11.1 IC11.2 IC11.3 IC11.4 IC11.5 IC11.6 IC11.8 IC11.9 M1.17 M1.18 M2.8 M3. U1.1 U1.2 U1.27 U1.28 U3.

## Polygon pours and split planes (outlines as drawn)
GND on Bottom Layer "GLOBAL_GND" (solid, remove dead copper, pour order 0): -4.682,15.108 -4.682,-74.892 105.318,-74.892 105.318,15.108

## Keep-outs
Keep-Out Layer:
  lines w0.254: -4.682,-74.892 -4.682,15.108 105.318,15.108 105.318,-74.892 -4.682,-74.892
  lines w0.508: 50,-69.1 50,-70.9 52.3,-73.2 92.467,-73.2 94.319,-71.348 94.319,-65.8 96.519,-63.6 100.6,-63.6 103.3,-60.9 103.3,-37.181 101.519,-35.4 97.6,-35.4 96.2,-36.8 96.2,-39.116 92.616,-42.7 53.416,-42.7 50,-46.116 50,-60.477

## Silkscreen, mask and mechanical layers (free items; w line width, h text height)
Top Overlay:
  drawing of 49 lines, arcs and shapes, not listed
  text "RCC RX" at 36.718,-58.791 h2.5
  text "Version: 1.00" at 36.718,-60.691 h1.25
  text "Designer: animevietsub" at 36.718,-61.791 h1.25
  text "Coworker: N. Truong" at 36.718,-62.891 h1.25

## Text inside footprints (layer, text, board x,y; h text height)
M2: Top Overlay "NRF24L01 + AMP" at 64.519,-16.186 h3 r90
U3: Top Overlay "DC - DC BUCK" at 20.833,-37.461 h3.5; Top Overlay "INPUT" at 8.083,-45.211 h3 r90; Top Overlay "OUTPUT" at 47.583,-46.211 h3 r90